# Altium PCB ANTS-PCU-B1.PCBDOC (part 2 of 3) (continued)
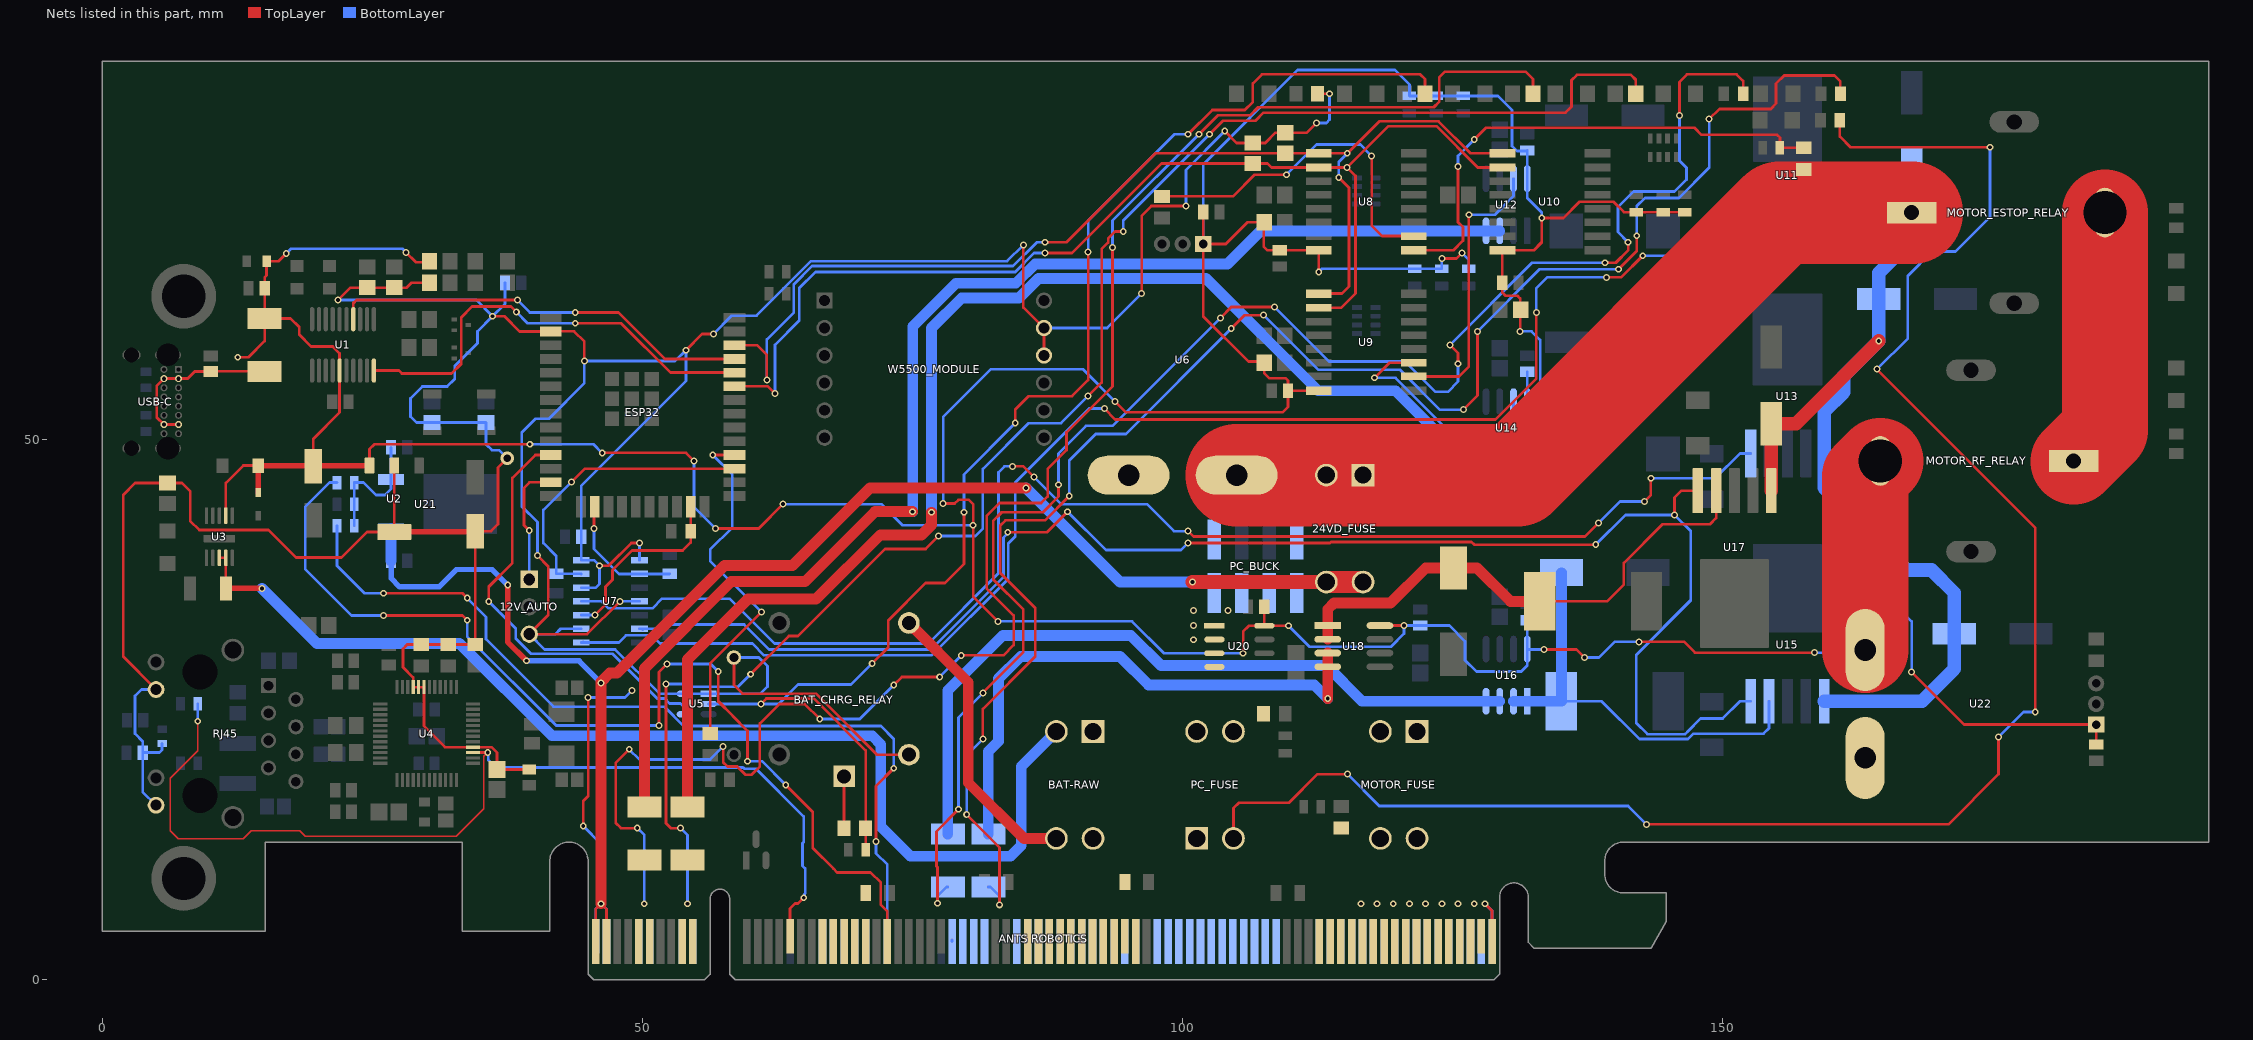
[diagram p2: the nets of this part, all layers, seen from the top]
## Part data (continued)
U8 U9 U10: library part CMP-10085-000001-1, "IC ADC/DAC 8BIT 11.1K 16SO", Ambient Temperature Range High=+85°C, Ambient Temperature Range Low=-40°C, Manufacturer="NXP Semiconductors", Max Supply Voltage=6V, Min Supply Voltage=2.5V, Nominal Supply Current=125-450uA, Package=SOT162-1, Temperature="-40°C to +85°C", Automotive=No, Category=IC, ComponentLink2Description=Datasheet, ComponentLink2URL=https://www.nxp.com/docs/en/data-sheet/PCF8591.pdf, Device Class L1="Integrated Circuits (ICs)", Device Class L2="Data Converter ICs", Device Class L3=unset, Digikey Description="IC ADC/DAC 8BIT 11.1K 16SO", Footprint Url=https://www.nxp.com/docs/en/package-information/SOT162-1.pdf, Height=2.65mm, Interface=I2C, Ipc Land Pattern Name=SOIC127P1032X265-16, Lead Free=Yes, Manufacturer Part Number=PCF8591T/2,518, Mouser Description="PCF8591 Series 2.5 V - 6 V 8-bit A/D and D/A converter - SOIC-16", Octopart=https://octopart.com/pcf8591t%2F2%2C518-nxp+semiconductors-7871876, RoHS=TRUE, Standoff Height=0.1mm, Temperature Range High=+85°C, Temperature Range Low=-40°C
U11: library part CMP-0069-00141-3, "SIMPLE SWITCHER® 3A Step-Down Voltage Regulator, 5-pin TO-263", Manufacturer="Texas Instruments", PackageTopMarking="NSUZXYTTE#*LM2576*HVS-5.0 P+", PowerWise=N, Code_JEDEC=MO-169-AB, ComponentLink1Description="Datasheet URL", ComponentLink1URL=http://www.ti.com/general/docs/lit/getliterature.tsp?genericPartNumber=LM2576HV&fileType=pdf, CompType=Switcher, PackageDescription="TO-263, Molded, .400 x .390 x .180in, 5 Lead, .067in Pitch, Surface Mount", PackageReference=KTT0005B, PinCount=5, RoHS=N
U12 U14 U16 U18: library part CMP-2000-04989-2, "SENSOR CURRENT HALL 5A AC/DC", Case/Package=SOIC, Current Sensing=5A, Frequency=80kHz, Max Operating Temperature=85°C, Max Supply Current=13mA, Max Supply Voltage=5.5V, Min Operating Temperature=-40°C, Min Supply Voltage=4.5V, Operating Supply Voltage=5V, Output Current=10mA, Package Quantity=1, Accuracy=1.5%, Bandwidth=80kHz, Height=1.5mm, Lead Free="Lead Free", Length=4.9mm, Linearity=1.5%, Mount="Surface Mount", Number of Channels=1, Number of Pins=8, Packaging="Cut Tape", Polarity=Bidirectional, Quiescent Current=10mA, REACH SVHC="No SVHC", Response Time=5us, RoHS Compliant=Yes, Sensitivity=185mV/A, Series=-, Termination=SMD/SMT, Voltage=5V, Width=3.9mm
U13: library part CMP-0069-00132-3, "SIMPLE SWITCHER® 3A Step-Down Voltage Regulator, 5-pin TO-263", Manufacturer="Texas Instruments", PackageTopMarking="NSUZXYTTE#*LM2576*HVS-3.3 P+", PowerWise=N, Code_JEDEC=MO-169-AB, ComponentLink1Description="Datasheet URL", ComponentLink1URL=http://www.ti.com/general/docs/lit/getliterature.tsp?genericPartNumber=LM2576HV&fileType=pdf, CompType=Switcher, PackageDescription="TO-263, Molded, .400 x .390 x .180in, 5 Lead, .067in Pitch, Surface Mount", PackageReference=KTT0005B, PinCount=5, RoHS=N
U15 U17: library part CMP-0069-00133-3, "SIMPLE SWITCHER® 3A Step-Down Voltage Regulator, 5-pin TO-263, Pb-Free", Manufacturer="Texas Instruments", PackageTopMarking="NSUZXYTTE#*LM2576*HVS-12 P+", PowerWise=N, Code_JEDEC=MO-169-AB, ComponentLink1Description="Datasheet URL", ComponentLink1URL=http://www.ti.com/general/docs/lit/getliterature.tsp?genericPartNumber=LM2576HV&fileType=pdf, CompType=Switcher, PackageDescription="TO-263, Molded, .400 x .390 x .180in, 5 Lead, .067in Pitch, Surface Mount", PackageReference=KTT0005B, PinCount=5, RoHS=Y
U20: library part CMP-0826-00001-2, "SENSOR CURRENT HALL 20A AC/DC", Case/Package=SOIC, Current Sensing=20A, Frequency=80kHz, Max Operating Temperature=85°C, Max Supply Current=13mA, Max Supply Voltage=5.5V, Min Operating Temperature=-40°C, Min Supply Voltage=4.5V, Operating Supply Voltage=5V, Output Current=10mA, Package Quantity=1, Accuracy=1.5%, Bandwidth=80kHz, Height=1.5mm, Lead Free="Lead Free", Length=4.9mm, Linearity=1.5%, Number of Channels=1, Number of Pins=8, Packaging="Tape and Reel", Polarity=Bidirectional, Quiescent Current=10mA, Radiation Hardening=No, REACH SVHC="No SVHC", Response Time=5us, RoHS Compliant=Yes, Sensitivity=100mV/A, Series=-, Termination=SMD/SMT, Width=3.9mm
U21: library part CMP-0244-00186-1, "Precision 500mA Regulator, 12V, 3-Pin DPAK, Tape and Reel", ComponentLink1Description="Manufacturer URL", ComponentLink1URL=http://www.st.com, ComponentLink2Description=Datasheet, ComponentLink2URL=http://www.st.com/internet/com/TECHNICAL_RESOURCES/TECHNICAL_LITERATURE/DATASHEET/CD00000448.pdf, DatasheetVersion=1/11/2010, PackageDescription="3-Pin Transistor Outline Package 2.28 mm Pitch, 9.7 mm Lead Span (DPAK)", PackageReference=TO-252, PackageVersion=2011
USB-C: library part CMP-196119-000001-1, "CONN RCPT USB2.0 TYPEC 16POS", Current Rating=4.25A, Manufacturer="Global Connector Technology", Package=0, Temperature="-40°C to +85°C", Temperature Range High=+85°C, Temperature Range Low=-40°C, Voltage Rating=20V, Automotive=No, Category=Conn, ComponentLink2Description=Datasheet, ComponentLink2URL=https://gct.co/files/drawings/usb4085.pdf, Conn Orientation="Right Angle", Contact Material=Gold,Nickel, Device Class L1=Connectors, Device Class L2="USB Connectors", Device Class L3=unset, Digikey Description="CONN RCPT USB2.0 TYPEC 16POS", Height=3.66mm, Is Female=yes, Lead Free=Yes, Manufacturer Part Number=USB4085-GF-A, Number Of Contacts=16, Octopart=https://octopart.com/usb4085-gf-a-global+connector+technology-94773699, Pitch=0.85mm, RoHS=TRUE, Shielding=true, Usb Standard="USB 2.0"
Y2: library part CMP-2000-05729-1, "Miniature Ceramic Crystal, 25 MHz, +/- 20 ppm, -20 to 70 degC, 2-Pin SMD, RoHS, Tape and Reel", Case Height=1.3mm, Case Length=5mm, Case Width=3.2mm, Frequency=25MHz, Frequency Stability=50PPM, Load Capacitance=18pF, Manufacturer=ABRACON, Operating Temperature Range=-20Cto+70C, Package / Case=5mmx3.2mm, Package Description="2-Pin Surface Mount Device, Body 5 x 3.2 mm", Package Reference=ABM3, Tolerance=20PPM, Brand=ABRACON, Datasheet URL=http://www.abracon.com/Resonators/abm3.pdf, Datasheet Version=09/2013, Dimensions=3.2mmWx5mmLx1.3mmH, ESR=30Ohms, Factory Pack Quantity=1000, Manufacturer URL=http://www.abracon.com/, Mounting Style=SMD/SMT, Mounting Technology=SurfaceMount, Packaging=Reel, Product Category=Crystals, RoHS=Details, Series=ABM3, Termination Style=SMD/SMT, Type=MiniatureCeramicCrystal

## Free pads (board coordinates)
  round 6 hole 4: 9(7.5,9.35) 9(7.5,63.25)

## Via types
v1: diameter 0.635, hole 0.356, TopLayer to BottomLayer, 322 vias
v2: diameter 0.5, hole 0.2, TopLayer to BottomLayer, 3 vias
v3: diameter 1.27, hole 0.711, TopLayer to BottomLayer, 1 vias

## Nets (pads, with @x,y where several pads share a name; then routed paths per layer and width w, separated by ;. In a path a pad name is that pad's centre, name@x,y a point inside that pad or via, vN(x,y) a via of type N, cw(c..) or ccw(c..) an arc to the next point about the centre after c; other vN are vias at no path point)
3V3D_AMP_MONITOR: U9.3 U14.7 | length 20.9
  TopLayer w0.254: v1(117.75,55.7) 119.145,57.095 U9.3@121.4,57.095
  BottomLayer w0.254: v1(117.75,55.7) 119.7,55.7 124.15,51.25 130.15,51.25 130.635,51.735 U14.7@130.635,53.492
3V3D_RAW: 3V3D_FUSE.1 U14.3 U14.4 | length 120.9
  TopLayer w1.016: 3V3D_FUSE.1@54.15,15.951 54.15,29.6 59.75,35.2 66.05,35.2 72,41.15 75.8,41.15 76.736,42.086 v1(76.736,43.25)
  BottomLayer w1: v1@76.75,43.25 76.75,60.3 79.55,63.1 84.85,63.1 86.65,64.9 102.15,64.9 112.55,54.5 119.7,54.5 125.54,48.66 U14.4@128.095,48.66 U14.3@129.365,48.66
5VD_AMP_MONITOR: U9.2 U12.7 | length 26
  TopLayer w0.254: U9.2@121.4,55.825 125.575,55.825 126.5,56.75 v1(126.5,70.8)
  BottomLayer w0.254: v1(126.5,70.8) 128.911,70.8 130.635,72.524 U12.7@130.635,74.142
5VD_RAW: 5VD_FUSE.1 U12.3 U12.4 | length 118.9
  TopLayer w1.016: 5VD_FUSE.1@50.15,15.951 50.15,28.8 58.2,36.85 65.05,36.85 71.5,43.3 v1(74.986,43.3)
  BottomLayer w1: v1@75,43.3 75,60.45 79,64.45 83.45,64.45 84.55,64.45 86.35,66.25 91.8,66.25 104.15,66.25 107.2,69.3 128.095,69.3 U12.3@129.365,69.3
12V_RF_RELAY: "ANTS ROBOTICS.A26" R83.2 | length 83
  TopLayer w0.254: v1(26,35.75) 33.3,35.75 v1(33.75,35.3) ; v1(71.6,12.75) 71.6,17.9 v1(73.25,19.55)
  BottomLayer w0.254: R83.2@21.7,42 21.7,38.3 24.25,35.75 v1(26,35.75) ; v1(33.75,35.3) 35.5,33.55 35.5,31.5 41.75,25.25 52,25.25 53.799,23.451 72.049,23.451 73.25,22.25 v1(73.25,19.55) ; v1(71.6,12.75) 71.6,11.668 72.65,10.618 72.65,3.5
12V_SIG_RF: "ANTS ROBOTICS.B26" R81.2 | length 94.4
  TopLayer w0.254: v1(26,33.7) 33.3,33.7 v1(33.75,33.25) ; v1(51.5,23.5) 51.5,28.45 v1(52.25,29.2) ; v1(57,28.5) 57,25.75 58.35,24.4 58.35,24.362 59.7,23.012 v1(59.7,20.198) ; v1(63.25,18) 65.75,15.5 65.75,12.15 67.65,10.25 68,9.9 71.1,9.9 72.05,8.95 72.05,6.9 72.65,6.3 72.65,3.5
  BottomLayer w0.254: R81.2@21.7,46 21,46 18.75,43.75 18.75,38 23.05,33.7 v1(26,33.7) ; v1(33.75,33.25) 33.75,31.75 42,23.5 v1(51.5,23.5) ; v1(52.25,29.2) 56.3,29.2 v1(57,28.5) ; v1(59.7,20.198) 61.052,20.198 v1(63.25,18)
12VRTR_RAW: RTR_FUSE.1 U18.3 U18.4 | length 51.9
  TopLayer w1: v1(113.434,26) U18.4@113.434,28.945 ; U18.4@113.434,28.953 U18.3@113.434,30.215
  BottomLayer w1: RTR_FUSE.1@82,13.451 82,21.1 82.95,22.05 82.95,27.85 85,29.9 94.2,29.9 96.85,27.25 112.184,27.25 v1(113.434,26)
12VRTR_REG: C53.1 L6.1 U17.4 U18.1 U18.2 | length 48.3
  TopLayer w0.254: L6.1@133.05,35 139.3,35 140.85,36.55 140.85,38.55 144.45,42.15 148.85,42.15 149.4,42.7 U17.4@149.4,45.25
  TopLayer w1: U18.2@113.434,31.493 U18.1@113.434,32.755 ; U18.1@113.434,32.944 113.434,34.264 114.02,34.85 119.25,34.85 122.5,38.1 C53.1@125.1,38.1 127.25,38.1 130.35,35 L6.1@133.05,35
12VSPKR_RAW: SPKR_FUSE.1 U16.3 U16.4 | length 69.1
  BottomLayer w1: SPKR_FUSE.1@78.25,13.451 78.25,26.75 83.35,31.85 95.2,31.85 98,29.05 113.307,29.05 116.607,25.75 123.7,25.75 U16.4@128.095,25.75 U16.3@129.365,25.75
12VSPKR_REG: C49.1 L5.1 U15.4 U16.1 U16.2 | length 39.9
  BottomLayer w0.254: L5.1@135.08,25.75 138.8,25.75 142.304,22.246 146.796,22.246 147.3,22.75 153.8,22.75 154.3,23.25 U15.4@154.3,25.75
  BottomLayer w1: U16.2@130.635,25.75 U16.1@131.905,25.75 L5.1@135.05,25.75 ; L5.1@135.08,25.75 C49.1@135.08,37.65
+3V3: 12V_AUTO.3 BAT_CHRG_RELAY.2 C6.1 C7.1 C27.1 C28.2 C31.1 C36.1 D3.2 ESP32.2 L1.1 R3.1 R4.1 R8.2 R12.2 R13.2 R27.2 R28.2 R29.2 R31.1 R44.2 R45.2 R85.1 RJ45.10 RJ45.12 U2.2 U2.4 U4.28 U4.43 U4.44 U4.45 U5.1 U5.5 U7.1 U7.4 U7.9 U7.12 U7.14 W5500_MODULE.10 W5500_MODULE.11 | length 424.7
  TopLayer w0.254: RJ45.10@4.94,26.835 1.9,29.875 1.9,44.85 3,45.95 R85.1@6,45.95 7.35,45.95 8.1,45.2 8.1,42.45 8.95,41.6 15.35,41.6 17.9,39.05 22.1,39.05 24.475,41.425 U2.4@27,41.425 27,47.55 U2.2@27,47.575 ; v1(21.8,62.9) 22.95,64.05 R3.1@24.5,64.05 R4.1@27,64.05 28.15,64.05 28.6,64.5 R8.2@30.25,64.5 ; v1(36.1,61.4) 37.2,61.4 38.61,59.99 ESP32.2@41.5,59.99 41.79,59.99 41.8,60 43.65,60 44.6,59.05 v1(44.6,57.25) ; v3(37.45,48.25) 36.6,47.4 36.6,42.15 35.95,41.5 C6.1@34.5,41.5 34.5,41.425 R28.2@34.5,31 R27.2@32,31 R29.2@29.5,31 28.2,31 27.8,30.6 27.8,28.9 28.75,27.95 U4.45@28.75,27.05 U4.44@29.25,27.05 U4.43@29.75,27.05 29.75,23.45 31.7,21.5 U4.28@34.3,21.5 36,21.5 36.5,21 C28.2@36.5,19.425 36.502,19.427 C27.1@39.5,19.427 ; v1(40.25,39.25) 41.25,38.25 41.25,33.71 12V_AUTO.3@39.5,31.96 44.86,31.96 v1(47.9,35) ; v1(46,38.3) 46.85,38.3 48.95,40.4 v1(49.7,40.4) ; v1(54,58.25) 55.5,59.75 v1(56.55,59.75) ; D3.2@58.45,29.8 58.45,27.25 59.25,26.45 66.05,26.45 71.7,20.8 BAT_CHRG_RELAY.2@74.65,20.8 ; v1(85.25,68) 85.25,62.22 W5500_MODULE.11@87.16,60.31 W5500_MODULE.10@87.16,57.77 W5500_MODULE.10@87.15,57.76 ; v1(96.2,63.5) 96.2,70.7 97.1,71.6 v1(100.3,71.6) ; v1(103.9,78.55) 105,77.45 R45.2@106.5,77.45 107.65,77.45 108.595,78.395 R44.2@109.5,78.395 111.495,78.395 v1(112.4,79.3) ; R31.1@112.5,82 v1(113.6,82)
  TopLayer w0.508: U2.4@27,41.425 C6.1@34.5,41.425
  BottomLayer w0.254: RJ45.12@4.94,16.125 3.7,17.365 C31.1@3.7,21 ; RJ45.10@4.94,26.835 3.585,26.835 3,26.25 3,22.75 3.7,22.05 C31.1@3.7,21 ; L1.1@5.5,21.835 5.5,21.25 5.25,21 C31.1@3.7,21 ; v1(21.8,62.9) 34.6,62.9 v1(36.1,61.4) ; C7.1@37.25,64.5 37.25,62.55 v1(36.1,61.4) ; v3(37.45,48.25) 36.7,49 36.05,49 35.5,49.55 R12.2@35.5,51.55 R13.2@30.5,51.55 29.05,51.55 28.5,52.1 28.5,53.8 29.6,54.9 31.9,54.9 32.6,55.6 32.6,56.8 34.7,58.9 34.7,60 v1(36.1,61.4) ; 12V_AUTO.3@39.5,31.96 40.91,30.55 47.45,30.55 51.55,26.45 U5.5@53.9,26.45 U5.1@56.1,26.45 60.9,26.45 61.55,27.1 61.55,29 60.75,29.8 D3.2@58.45,29.8 ; 12V_AUTO.3@40,31.96 41.91,31.96 42.41,32.46 U7.9@44.3,32.46 ; v1(40.25,39.25) 40.25,42.35 38.8,43.8 38.8,50.65 40.05,51.9 41.3,51.9 44.6,55.2 v1(44.6,57.25) 53,57.25 v1(54,58.25) 54,55.4 44.3,45.7 C36.1@44.3,41 U7.14@44.3,38.81 45.49,38.81 v1(46,38.3) 46,36.6 45.65,36.25 44.32,36.25 U7.12@44.3,36.27 ; v1(47.9,35) U7.4@49.7,35 ; U7.1@49.7,38.81 v1(49.7,40.4) ; v1(56.55,59.75) 58.25,61.45 60.55,61.45 65.6,66.5 83.75,66.5 v1(85.25,68) ; W5500_MODULE.11@87.16,60.31 93.01,60.31 v1(96.2,63.5) ; v1(100.3,71.6) 100.3,74.95 v1(103.9,78.55) ; v1(112.4,79.3) 113.3,79.3 113.6,79.6 v1(113.6,82)
+3V3_DIGITAL: 3V3D_FUSE.2 "ANTS ROBOTICS.A9" "ANTS ROBOTICS.A10" "ANTS ROBOTICS.B9" "ANTS ROBOTICS.B10" R68.2 | length 149.3
  TopLayer w0.254: v1(52.15,27.35) 52.15,14.45 52.6,14 v1(53.5,14) ; v1(60,28.25) 63.536,31.786 64.386,31.786 72.45,39.85 76.2,39.85 v1(77.4,41.05) ; v1(91.25,54) 92.5,55.25 92.5,67.625 93.1,68.225 93.1,68.6 93.75,69.25 v1(94.5,69.25) ; v1(102.5,78.25) 103.75,79.5 106.75,79.5 107.5,80.25 135.45,80.25 136,80.8 136,83.25 136.5,83.75 141.5,83.75 141.95,83.3 141.95,82.1 R68.2@141.95,82
  BottomLayer w0.254: v1(52.15,27.35) 52.15,27.3 52.2,27.35 54.35,27.35 54.6,27.1 58.85,27.1 v1(60,28.25) ; v1(53.5,14) 54.15,13.35 v1(54.15,7) ; v1(77.4,41.05) 80.8,41.05 81.5,41.75 81.5,47.25 85.75,51.5 88.75,51.5 v1(91.25,54) ; v1(94.5,69.25) 94.5,70.25 v1(102.5,78.25)
+3V3_DIGITAL_ENABLE: U7.11 U13.5 | length 129.8
  TopLayer w0.254: v1(84.25,47.5) 85.25,47.5 v1(86.25,46.5) ; v1(100.5,41.5) 101,41 137.25,41 v1(138.5,42.25) ; v1(142.75,44.25) 143.35,44.85 143.35,46.25 143.3,46.3 143.35,46.35 v1(143.35,46.4)
  BottomLayer w0.254: U7.11@44.3,35 46.2,35 46.85,34.35 50.9,34.35 51.8,35.25 58.05,35.25 62.2,31.1 76.45,31.1 82.95,37.6 82.95,46.95 83.5,47.5 v1(84.25,47.5) ; v1(86.25,46.5) 88.75,44 96.7,44 99.2,41.5 v1(100.5,41.5) ; v1(138.5,42.25) 140.5,44.25 v1(142.75,44.25) ; v1(143.35,46.4) 149.3,46.4 151.6,48.7 U13.5@152.6,48.7
+5_USB_IN: C1.1 F-USB.1 USB-C.A4 USB-C.A9 USB-C.B4 USB-C.B9 | length 15.8
  TopLayer w0.254: USB-C.A9@7.025,51.375 USB-C.B4@5.675,51.375 5,52.05 5,54.95 USB-C.B9@5.675,55.625 USB-C.A4@7.025,55.625 7.875,55.625 8.524,56.274 C1.1@10,56.274 10.026,56.3 14.975,56.3 F-USB.1@15,56.275
+5V: ADC1-A0.1 ADC1-A1.1 ADC1-A2.1 ADC2-A0.1 ADC2-A1.1 ADC2-A2.1 ADC3-A0.1 ADC3-A1.1 ADC3-A2.1 C2.1 C3.1 C5.1 C9.1 C35.1 C37.1 C38.1 C39.1 C42.1 C46.1 C50.1 C54.1 C56.1 C61.1 D2.1 F-USB.2 R9.2 R46.2 R54.2 R62.2 U1.15 U2.3 U3.7 U6.1 U8.16 U9.16 U10.16 U12.8 U14.8 U16.8 U18.8 U20.8 U22.1 | length 475.6
  TopLayer w0.254: U3.7@11.4,42.93 11.4,45.95 13.025,47.575 C9.1@14.4,47.575 ; v1(12.5,57.6) 13.5,57.6 15,59.1 F-USB.2@15,61.177 ; v1(17,67.2) 16.3,66.5 C3.1@15.175,66.5 15.175,65.175 15,65 C2.1@15,64 F-USB.2@15,61.177 ; C5.1@19.5,47.5 19.5,47.575 19.5,50.05 21.933,52.483 U1.15@21.933,56.375 21.933,57.967 21.3,58.6 19.3,58.6 18.2,59.7 18.2,60.4 17.4,61.2 15.3,61.2 15.277,61.177 F-USB.2@15,61.177 ; U2.3@24.7,47.575 24.7,49.1 25.15,49.55 v1(39.55,49.55) ; v1(28.1,67.3) 29,66.4 30.1,66.4 30.2,66.5 R9.2@30.25,66.5 ; v1(46.25,48.75) 54,48.75 v1(54.75,48) ; v1(56.75,41.75) 60.75,41.75 v1(63,44) ; v1(77.822,44.05) 78.887,44.05 79.237,44.4 80.2,44.4 80.6,44 v1(80.6,42.05) 80.6,35.45 v1(82.9,33.15) ; v1(93.75,53.5) 94.75,52.5 109.25,52.5 109.75,53 C38.1@109.75,54.505 ; C35.1@101.91,71.05 U6.1@101.91,68.09 ; v1(105.6,30.2) 105.6,32.2 106.14,32.74 U20.8@107.566,32.74 ; C56.1@107.55,34.5 107.566,34.484 U20.8@107.566,32.74 ; v1(109.805,32.74) U20.8@107.566,32.74 ; U9.16@112.6,54.505 C38.1@109.75,54.505 ; v1(112.6,65.5) U8.16@112.6,67.5 ; U8.16@112.6,67.505 U8.16@112.6,67.5 ; U18.8@118.266,32.755 v1(120.505,32.755) ; v1(124,66.75) 125.35,66.75 v1(125.85,67.25) ; v1(131.25,60) 131.25,63.05 131,63.3 129.9,63.3 129.6,63.6 C39.1@129.6,64.5 U10.16@129.6,67.505 132.505,67.505 133.25,68.25 v1(133.25,70.5) 135.25,70.5 136.75,72 139.9,72 140.865,71.035 ADC3-A0.1@142,71.035 ADC3-A1.1@144.5,71.035 ADC3-A2.1@146.5,71.035 ; v1(133.45,30.55) 136.45,30.55 v1(137.2,29.8) ; v1(142.25,31.25) 146.45,31.25 147.45,30.25 v1(158.5,30.25) ; v1(167.5,28.45) 172.36,23.59 U22.1@184.59,23.59 184.59,21.76 C61.1@184.6,21.75 ; U6.1@101.91,68.09 101.91,61.39 106.1,57.2 107.35,57.2 107.45,57.1 R54.2@107.55,57.1 107.55,56.15 108.05,55.65 109.55,55.65 109.75,55.45 C38.1@109.75,54.505 ; U6.1@101.91,68.09 103.991,68.09 106,70.1 R46.2@107.55,70.1 107.5,70.05 107.5,67.85 107.85,67.5 C37.1@109,67.5 U8.16@112.6,67.5
  TopLayer w0.508: D2.1@14.4,45.07 C9.1@14.4,47.575 ; C9.1@14.45,47.575 19.5,47.575 U2.3@24.7,47.575
  BottomLayer w0.254: v1(17,67.2) 17.446,67.646 27.754,67.646 v1(28.1,67.3) ; v1(39.55,49.55) 45.45,49.55 v1(46.25,48.75) ; v1(54.75,48) 54.75,43.75 v1(56.75,41.75) ; v1(63,44) 72.1,44 74.05,42.05 v1(80.6,42.05) ; v1(77.822,44.05) 77.822,52.071 82.25,56.5 90.75,56.5 v1(93.75,53.5) ; v1(82.9,33.15) 95.3,33.15 98.25,30.2 v1(105.6,30.2) ; U6.1@101.91,68.09 101.91,75.46 110.65,84.2 119.65,84.2 121,82.85 ADC1-A2.1@121,81.8 ADC1-A1.1@123.5,81.8 ADC1-A0.1@126,81.8 129.2,81.8 130.5,80.5 130.5,77.15 130.95,76.7 131.855,76.7 C42.1@131.905,76.75 131.905,75.905 131.9,75.9 U12.8@131.9,74.147 ; v1(109.805,32.74) 111.745,30.8 119.3,30.8 120.505,32.005 v1(120.505,32.755) C54.1@122,32.755 124.695,32.755 126.15,31.3 126.15,29.55 127.2,28.5 131.35,28.5 131.905,29.055 U16.8@131.905,30.582 ; v1(112.6,65.5) 112.9,65.8 ADC2-A2.1@121.5,65.8 ADC2-A1.1@124,65.8 v1(124,66.75) ; v1(125.85,67.25) 126.5,66.6 ADC2-A0.1@126.5,65.8 ; v1(131.25,60) 132.3,60 133.1,59.2 133.1,53.75 132.842,53.492 U14.8@131.905,53.492 131.905,56.245 C46.1@131.9,56.25 ; U12.8@131.905,74.142 131.905,72.345 133.25,71 v1(133.25,70.5) ; C50.1@131.95,33.25 131.905,33.205 U16.8@131.905,30.582 ; v1(133.45,30.55) 131.937,30.55 U16.8@131.905,30.582 ; v1(137.2,29.8) 138.55,29.8 140,31.25 v1(142.25,31.25) ; v1(158.5,30.25) 160.1,30.25 160.7,30.85 160.7,34 161.95,35.25 165.4,35.25 167.5,33.15 v1(167.5,28.45)
+5V_DIGITAL: 5VD_FUSE.2 "ANTS ROBOTICS.A5" "ANTS ROBOTICS.A6" "ANTS ROBOTICS.B5" "ANTS ROBOTICS.B6" R69.2 | length 158.8
  TopLayer w0.254: v1(48.75,21.3) 47.5,20.05 47.5,14.5 48,14 v1(49.5,14) ; v1(57.45,21.55) 57.45,20.1 57.85,19.7 58.75,19.7 59.5,18.95 60.1,18.95 60.85,19.7 60.85,23.7 62.65,25.5 65,25.5 v1(66.4,24.1) ; v1(73.25,27.25) 74,28 v1(77.5,28) ; v1(79.5,30) 83.4,30 84.35,30.95 84.35,33.7 81.85,36.2 81.85,42.9 83.05,44.1 86.9,44.1 87.5,44.7 87.5,47.25 89.25,49 89.25,50.65 93.5,54.9 v1(93.5,67.75) ; v1(101.5,78.25) 103.25,80 106.25,80 107,80.75 123.25,80.75 123.75,81.25 123.75,83.5 124.3,84.05 131.75,84.05 132.45,83.35 R69.2@132.45,82
  BottomLayer w0.254: v1(48.75,21.3) 49.7,20.35 56.25,20.35 v1(57.45,21.55) ; v1(49.5,14) 50.15,13.35 v1(50.15,7) ; 49.65,3.5 49.65,3.55 ; v1(66.4,24.1) 70.1,24.1 v1(73.25,27.25) ; v1(77.5,28) 79.45,29.95 79.5,29.95 v1(79.5,30) ; v1(93.5,67.75) 93.5,70.25 v1(101.5,78.25)
+5V_DIGITAL_ENABLE: U7.8 U11.5 | length 136.2
  TopLayer w0.254: v1(92.75,52.85) 93.75,51.85 128.95,51.85 132.75,55.65 v1(132.75,61.75) ; v1(139.25,65) 140.6,65 v1(142.6,67)
  BottomLayer w0.254: U7.8@44.3,31.19 44.44,31.19 44.5,31.25 44.56,31.19 47.79,31.19 48.45,31.85 50.85,31.85 51.6,31.1 60.15,31.1 61.25,30 76.761,30 83.85,37.089 83.85,40.35 84.5,41 84.5,46 91.35,52.85 v1(92.75,52.85) ; v1(132.75,61.75) 132.75,64 133.75,65 v1(139.25,65) ; v1(142.6,67) 149.3,67 151.6,69.3 U11.5@152.6,69.3
+12: C60.1 R81.1 R82.1 R83.1 U21.3 | length 12
  BottomLayer w0.254: R83.1@23.3,42 R82.1@23.3,44 R81.1@23.3,46 24.15,46 25.3,44.85 26.15,44.85 26.7,45.4 U21.3@26.7,46.28 C60.1@26.7,49.25
+12V_EXTRA_ENABLE: U7.6 U15.5 U17.5 | length 145.8
  TopLayer w0.254: v1(83.8,41.4) 87.45,41.4 v1(89.35,43.3) ; v1(100.5,40.4) 113.627,40.4 113.727,40.5 126.75,40.5 127,40.25 v1(138.25,40.25) ; v1(145.55,43) 145.55,44.6 146.2,45.25 U17.5@147.7,45.25
  BottomLayer w0.254: U7.6@49.7,32.46 49.94,32.46 50,32.4 50.06,32.46 51.26,32.46 51.65,32.85 59.4,32.85 61.7,30.55 76.7,30.55 83.4,37.25 83.4,40.897 83.8,41.297 v1(83.8,41.4) ; v1(89.35,43.3) 92.9,39.75 99.85,39.75 v1(100.5,40.4) ; v1(138.25,40.25) 141,43 v1(145.55,43) 147.05,41.5 147.05,35.1 142,30.05 142,23.75 143.05,22.7 146.512,22.7 146.727,22.915 146.727,22.927 147.95,24.15 150,24.15 151.6,25.75 U15.5@152.6,25.75
+12V_ROUTER: "ANTS ROBOTICS.A34" "ANTS ROBOTICS.A35" R71.2 RTR_FUSE.2 | length 157.8
  TopLayer w0.254: v1(80,15.25) 83.05,12.2 v1(83.05,6.9) ; v1(81.5,22.25) 81.5,25.05 86.35,29.9 86.35,34.4 83.1,37.65 83.1,42 83.6,42.5 87.25,42.5 v1(89.5,44.75) ; v1(104.5,60.25) 105.75,61.5 v1(107.5,61.5) ; v1(126,52.75) 127.3,54.05 v1(127.3,60) ; v1(140.35,65.75) 142.05,67.45 v1(142.05,68.85) ; v1(148.75,79.65) 149.7,80.6 154.45,80.6 154.95,81.1 154.95,82.95 155.7,83.7 160.35,83.7 160.9,83.15 R71.2@160.9,82
  BottomLayer w0.254: v1(80,15.25) 80,20.75 v1(81.5,22.25) ; RTR_FUSE.2@82,8.549 82.199,8.549 83.05,7.698 v1(83.05,6.9) ; v1(89.5,44.75) 89.5,48.05 91.95,50.5 94.75,50.5 v1(104.5,60.25) ; v1(107.5,61.5) 112.55,56.45 120.1,56.45 123.8,52.75 v1(126,52.75) ; v1(127.3,60) 133.05,65.75 v1(140.35,65.75) ; v1(142.05,68.85) 142.05,71.6 142.8,72.35 145.95,72.35 148.75,75.15 v1(148.75,79.65)
+12V_SPEAKER: "ANTS ROBOTICS.A32" "ANTS ROBOTICS.A33" R70.2 SPKR_FUSE.2 | length 151.9
  TopLayer w0.254: v1(77.288,7.044) 77.288,10.38 77.2,10.468 77.2,13.7 v1(79.25,15.75) ; v1(81.5,26.5) 81.5,26.55 85.25,30.3 85.25,34.25 82.45,37.05 82.45,42.45 83.25,43.25 87.05,43.25 88.5,44.7 v1(88.5,45.8) ; v1(103.5,61.25) 104.5,62.25 v1(108.5,62.25) ; v1(124.75,58.75) 125.5,58 v1(125.5,57) ; v1(139.1,66.35) 140.1,66.35 141.25,67.5 v1(141.25,68.25) ; v1(146,80) 146,83.1 146.7,83.8 151.3,83.8 151.9,83.2 R70.2@151.9,82
  BottomLayer w0.254: v1(77.288,7.044) 77.288,7.698 78.139,8.549 SPKR_FUSE.2@78.25,8.549 ; 78.65,3.5 78.65,3.65 ; v1(79.25,15.75) 79.25,24.25 v1(81.5,26.5) ; v1(88.5,45.8) 88.5,48.7 91.05,51.25 93.5,51.25 v1(103.5,61.25) ; v1(108.5,62.25) 113.55,57.2 120.6,57.2 123.4,54.4 124.55,54.4 125.5,55.35 v1(125.5,57) ; v1(124.75,58.75) 132.35,66.35 v1(139.1,66.35) ; v1(141.25,68.25) 140.3,69.2 140.3,71.5 141.75,72.95 145.55,72.95 146.65,74.05 146.65,75.15 146,75.8 v1(146,80)
+19V_PC: "ANTS ROBOTICS.A51" "ANTS ROBOTICS.A52" "ANTS ROBOTICS.A53" "ANTS ROBOTICS.A54" "ANTS ROBOTICS.A55" "ANTS ROBOTICS.A56" "ANTS ROBOTICS.A57" "ANTS ROBOTICS.A58" "ANTS ROBOTICS.A59" "ANTS ROBOTICS.A60" "ANTS ROBOTICS.A61" "ANTS ROBOTICS.A62" PC_FUSE.1 PC_FUSE.2 R76.1 | length 166.5
  TopLayer w0.254: PC_FUSE.2@104.7,13.05 104.7,15.85 105.2,16.35 109.85,16.35 112.5,19 v1(115.25,19) ; v1(142.95,14.35) 170.9,14.35 175.55,19 v1(175.55,22.45) ; R76.1@160.85,79.55 160.85,78.05 161.85,77.05 v1(174.75,77.05) ; v1(164.3,56.5) 164.3,56.45 178.95,41.8 v1(178.95,24.75)
  BottomLayer w0.254: v1(115.25,19) 118.2,16.05 141.25,16.05 v1(142.95,14.35) ; v1(164.3,56.5) 167.15,59.35 167.15,65.15 169.4,67.4 171.55,67.4 174.75,70.6 v1(174.75,77.05) ; v1(175.55,22.45) 175.6,22.4 175.6,22.5 177.85,24.75 v1(178.95,24.75)
+19V_PC_NOFUSE: PC_FUSE.3 PC_FUSE.4 R74.2 U20.3 U20.4
+19V_PC_RAW: PC_BUCK.1 PC_BUCK.2 PC_BUCK.4 U20.1 U20.2
  other v1: 101,31.45 101,32.75 101,34.15 104.2,34.15
+24V_BAT: 24VD_FUSE.1 24VD_FUSE.2 C40.2 C44.2 C48.2 C52.2 MOTOR_ESTOP_RELAY.30 R37.2 U6.5 U11.1 U13.1 U15.1 U17.1 | length 173.6
  TopLayer w1.27: U17.1@154.5,45.25 C52.2@154.5,51.45 156.8,51.45 v1(164.45,59.1)
  TopLayer w9.5: U6.5@105,46.691 130.991,46.691 155.3,71 MOTOR_ESTOP_RELAY.30@167.5,71
  BottomLayer w1.27: U15.1@159.4,25.75 168.45,25.75 171.45,28.75 C48.2@171.45,32 171.45,35.8 169.35,37.9 167.05,37.9 159.4,45.55 U13.1@159.4,48.7 159.4,52.55 161.2,54.35 161.2,55.85 v1(164.45,59.1) C44.2@164.45,63 164.45,65.4 167.5,68.45 MOTOR_ESTOP_RELAY.30@167.5,71 C40.2@167.5,75 161.6,75 159.4,72.8 U11.1@159.4,69.3
+24V_BAT_FUSE: BAT-RAW.1 BAT-RAW.2 C8.1 U3.3 U3.4 U6.4 | length 104.1
  TopLayer w0.254: U3.3@10.8,39.03 U3.4@11.4,39.03 C8.1@11.4,36.2
  TopLayer w0.508: C8.1@11.4,36.2 v1(14.75,36.2)
  BottomLayer w1: v1(14.75,36.2) 19.85,31.1 33.05,31.1 41.6,22.55 71.25,22.55 72.05,21.75 72.05,14.15 74.8,11.4 84.05,11.4 85.05,12.4 85.05,19.7 BAT-RAW.2@88.3,22.95
+24V_BAT_RAW: "ANTS ROBOTICS.A38" "ANTS ROBOTICS.A39" "ANTS ROBOTICS.A40" "ANTS ROBOTICS.A41" "ANTS ROBOTICS.A42" "ANTS ROBOTICS.A43" "ANTS ROBOTICS.A44" "ANTS ROBOTICS.A45" "ANTS ROBOTICS.A46" "ANTS ROBOTICS.A47" "ANTS ROBOTICS.A48" "ANTS ROBOTICS.A49" BAT-RAW.3 BAT-RAW.4 BAT_CHRG_RELAY.3 | length 27.4
  TopLayer w1: BAT_CHRG_RELAY.3@74.65,33 80.15,27.5 80.15,18.2 85.3,13.05 BAT-RAW.4@88.3,13.05
+24V_DIGITAL: 24VD_FUSE.3 24VD_FUSE.4 "ANTS ROBOTICS.A1" "ANTS ROBOTICS.A2" "ANTS ROBOTICS.B1" "ANTS ROBOTICS.B2" C59.1 PC_BUCK.6 PC_BUCK.7 PC_BUCK.8 U21.1 | length 172.3
  TopLayer w0.254: v1(44.5,14.2) 44.4,14.3 44.424,14.3 44.5,14.376 44.5,16.5 44.95,16.95 v1(44.95,26.1) ; 45.6,4.15 45.65,4.1 ; 45.65,3.5 45.65,4.1 ; 46.65,4.1 46.65,6.5 v1(46.15,7) 45.65,6.5 45.65,4.1
  TopLayer w0.508: v1(37.5,36.5) 37.5,31.25 v1(39.25,29.5)
  TopLayer w1: v1(46.15,27.45) v1@46.15,27.55
  TopLayer w1.016: v1(46.15,7) v1(46.15,27.45) ; v1@46.15,27.55 46.95,28.35 47.621,28.35 57.591,38.32 63.87,38.32 71.05,45.5 v1(85.5,45.5)
  TopLayer w1.27: v1(100.9,36.79) 24VD_FUSE.4@113.3,36.791
  TopLayer w2: 24VD_FUSE.4@113.3,36.791 24VD_FUSE.3@116.7,36.791
  BottomLayer w0.254: v1(44.5,14.2) 46.15,12.55 v1(46.15,7) ; v1(44.95,26.1) 48.35,26.1 v1(49,26.75) ; 45.65,4 45.65,6.5 v1(46.15,7) ; 46.65,4 46.65,6.5 v1(46.15,7)
  BottomLayer w0.508: C59.1@26.7,38.75 26.7,37.15 27.5,36.35 31.15,36.35 32.75,37.95 36.05,37.95 v1(37.5,36.5) ; v1(39.25,29.5) 39.258,29.492 44.108,29.492 v1(46.15,27.45)
  BottomLayer w1: C59.1@26.7,38.75 U21.1@26.7,41.72
  BottomLayer w1.016: v1(85.5,45.5) 94.209,36.791 v1(100.9,36.79)
+24V_MOTOR: "ANTS ROBOTICS.A66" "ANTS ROBOTICS.A67" "ANTS ROBOTICS.A68" "ANTS ROBOTICS.A69" "ANTS ROBOTICS.A70" "ANTS ROBOTICS.A71" "ANTS ROBOTICS.A72" "ANTS ROBOTICS.A73" "ANTS ROBOTICS.A74" "ANTS ROBOTICS.A75" "ANTS ROBOTICS.A76" "ANTS ROBOTICS.A77" "ANTS ROBOTICS.A78" "ANTS ROBOTICS.A79" "ANTS ROBOTICS.A80" "ANTS ROBOTICS.A81" "ANTS ROBOTICS.A82" "ANTS ROBOTICS.B66" "ANTS ROBOTICS.B67" "ANTS ROBOTICS.B68" "ANTS ROBOTICS.B69" "ANTS ROBOTICS.B70" "ANTS ROBOTICS.B71" "ANTS ROBOTICS.B72" "ANTS ROBOTICS.B73" "ANTS ROBOTICS.B74" "ANTS ROBOTICS.B75" "ANTS ROBOTICS.B76" "ANTS ROBOTICS.B77" "ANTS ROBOTICS.B78" "ANTS ROBOTICS.B79" "ANTS ROBOTICS.B80" "ANTS ROBOTICS.B81" "ANTS ROBOTICS.B82" MOTOR_FUSE.3 MOTOR_FUSE.4 R79.2 | length 7.5
  TopLayer w0.254: v1(128,7) 128.65,6.35 128.65,3.5
  BottomLayer w0.254: v1(128,7) 128.65,6.35 128.65,3.5
  other v1: 116.5,7 118,7 119.5,7 121,7 122.5,7 124,7 125.5,7 127,7
+24V_MOTOR_ESTOP: MOTOR_ESTOP_RELAY.87 MOTOR_RF_RELAY.30 | length 24.3
  TopLayer w8: MOTOR_RF_RELAY.30@182.5,47.95 185.4,50.85 MOTOR_ESTOP_RELAY.87@185.4,71
+24V_MOTOR_RAW: MOTOR_FUSE.1 MOTOR_FUSE.2 U22.5
+24V_MOTOR_RF: MOTOR_RF_RELAY.87 U22.4 | length 18.1
  TopLayer w8: U22.4@163.191,30.5 163.191,46.591 MOTOR_RF_RELAY.87@164.6,48
ACT_LED: "ANTS ROBOTICS.B17" R17.2 U4.27 | length 94.5
  TopLayer w0.127: v1(8.8,23.9) 8.8,21.15 6.25,18.6 6.25,13.75 7,13 13,13 13.75,13.75 18.25,13.75 18.75,13.25 32.75,13.25 35.3,15.8 35.3,20.642 v1(35.65,20.992)
  TopLayer w0.254: U4.27@34.3,21 34.304,20.996 35.646,20.996 v1(35.65,20.992) ; 63.65,4 63.65,6.564 64.113,7.026 64.376,7.026 v1(64.911,7.562)
  BottomLayer w0.254: v1(8.8,23.9) R17.2@8.8,25.5 ; v1(35.65,20.992) 35.706,20.936 35.706,20.294 36.384,19.616 59.295,19.616 59.349,19.562 59.364,19.562 59.426,19.5 60.5,19.5 64.902,15.098 64.902,12.723 64.802,12.622 64.802,10.511 65.047,10.265 65.047,7.961 64.984,7.898 64.984,7.635 v1(64.911,7.562)
BAT_AMP_MONITOR: R39.2 U8.2 | length 32.7
  TopLayer w0.254: R39.2@98.09,72.5 104.65,72.5 106.65,74.5 v1(109.6,74.5) ; v1(117.5,76.25) 117.5,69.8 118.475,68.825 U8.2@121.4,68.825
  BottomLayer w0.254: v1(109.6,74.5) 109.6,74.6 109.65,74.65 109.676,74.624 109.724,74.624 112.4,77.3 116.45,77.3 v1(117.5,76.25)
BAT_CHRG_EN: ESP32.28 R32.1 | length 33.4
  TopLayer w0.254: R32.1@56.25,22.75 56.25,29.25 v1(61,34) ; v1(56.49,48.56) ESP32.28@58.5,48.56
  BottomLayer w0.254: v1(56.49,48.56) 58.3,46.75 58.3,41.85 56.25,39.8 56.25,38.75 v1(61,34)
BAT_GND: "ANTS ROBOTICS.B39" "ANTS ROBOTICS.B40" "ANTS ROBOTICS.B41" "ANTS ROBOTICS.B42" "ANTS ROBOTICS.B43" "ANTS ROBOTICS.B44" "ANTS ROBOTICS.B45" "ANTS ROBOTICS.B46" "ANTS ROBOTICS.B47" "ANTS ROBOTICS.B48" "ANTS ROBOTICS.B49" F4.1
BAT_VOLT_MONITOR: R37.1 R38.2 U8.1 | length 47.4
  TopLayer w0.254: U8.1@121.4,67.505 125.055,67.505 125.95,68.4 125.95,69.65 125.5,70.1 v1(125.5,75.25) ; v1(127,77.75) 128.1,78.85 147.4,78.85 148.05,78.2 155.05,78.2 155.3,77.95 R38.2@155.3,77 R37.1@157.5,77
  BottomLayer w0.254: v1(125.5,75.25) 125.5,76.25 v1(127,77.75)
CHARGER_VCC: "ANTS ROBOTICS.A20" "ANTS ROBOTICS.A21" "ANTS ROBOTICS.A22" "ANTS ROBOTICS.A23" "ANTS ROBOTICS.A24" BAT_CHRG_RELAY.1 R34.2 | length 4.8
  TopLayer w0.254: R34.2@68.65,14 BAT_CHRG_RELAY.1@68.65,18.8
CHRG_DET_3V3: ESP32.11 U5.4 | length 41
  TopLayer w0.254: v1(35.75,35) 35.75,36.35 37.933,38.533 37.933,46.433 40.06,48.56 ESP32.11@41.5,48.56 42.06,48.56 42.15,48.65 ESP32.11@42.25,48.55
  BottomLayer w0.254: v1(35.75,35) 38.25,32.5 38.25,31.55 39.65,30.15 47.2,30.15 51.35,26 52.05,26 52.5,25.55 53.5,25.55 53.9,25.15 U5.4@53.9,24.55
CHRG_DET_HIGH: R34.1 R35.2 R36.2 U5.2 | length 129.8
  TopLayer w0.254: v1(60.95,25.5) 61.45,26 65.85,26 70.65,21.2 R34.1@70.65,14 R35.2@70.65,12 ; v1(71.25,29.25) 72.75,30.75 72.75,33.25 76.2,36.7 78,36.7 79.75,38.45 v1(79.75,43.25) ; v1(84.5,51.5) 84.5,52.75 85.75,54 89.75,54 91.25,55.5 v1(91.25,67.35) ; v1(100.5,78.25) 102.75,80.5 105.75,80.5 106.5,81.25 106.5,82.95 107.35,83.8 122,83.8 122.45,83.35 R36.2@122.45,82
  BottomLayer w0.254: U5.2@56.1,25.5 v1(60.95,25.5) 62.6,25.5 64.4,27.3 69.3,27.3 v1(71.25,29.25) ; v1(79.75,43.25) 79.75,46.75 v1(84.5,51.5) ; v1(91.25,67.35) 91.25,70.239 99.261,78.25 v1(100.5,78.25)
CHRG_GND: "ANTS ROBOTICS.B20" "ANTS ROBOTICS.B21" "ANTS ROBOTICS.B22" "ANTS ROBOTICS.B23" "ANTS ROBOTICS.B24" F2.1
ESP32-I2C-SCL: ESP32.36 R44.1 U8.9 U9.9 U10.9 | length 104.9
  TopLayer w0.254: ESP32.36@58.5,58.72 60.58,58.72 61.5,57.8 v1(61.5,55.5) ; v1(87.25,68.25) 89.261,68.25 97.511,76.5 108.005,76.5 ; 108,76.495 108.005,76.5 ; U9.9@112.6,63.495 114.745,63.495 115.4,64.15 115.4,73.3 v1(114.45,74.25) ; U10.9@129.6,76.495 126.655,76.495 123.7,79.45 118.2,79.45 v1(115.245,76.495) U8.9@112.6,76.495 112.355,76.495 112.35,76.5 108.005,76.5
  BottomLayer w0.254: v1(61.5,55.5) 61.5,59.25 64,61.75 64,64.361 65.689,66.05 84.3,66.05 86.5,68.25 v1(87.25,68.25) ; v1(114.45,74.25) 114.4,74.25 114.45,74.3 114.45,75.7 v1(115.245,76.495)
ESP32-I2C-SDA: ESP32.33 R45.1 U8.10 U9.10 U10.10 | length 104
  TopLayer w0.254: ESP32.33@58.5,54.91 61.59,54.91 v1(62.25,54.25) ; v1(87.25,67.25) 89.75,67.25 98.05,75.55 R45.1@106.5,75.55 107.85,75.55 108.225,75.175 U8.10@112.6,75.175 113.225,75.175 113.35,75.05 113.475,75.175 v1(115.225,75.175) ; U9.10@112.6,62.175 114.675,62.175 116,63.5 116,74.4 v1(115.225,75.175) ; U10.10@129.6,75.175 127.325,75.175 123.5,79 119.05,79 v1(115.225,75.175)
  BottomLayer w0.254: v1(62.25,54.25) 62.25,58.75 64.5,61 64.5,64 66,65.5 84.5,65.5 86.25,67.25 v1(87.25,67.25)
ESP32_3V3D_EN: ESP32.27 R40.2 U7.13 | length 28
  TopLayer w0.254: v1(43.4,46.05) 44.64,47.29 ESP32.27@58.5,47.29
  BottomLayer w0.254: v1(43.4,46.05) 40.8,43.45 40.8,40.4 42,39.2 R40.2@42,37.55 44.29,37.55 U7.13@44.3,37.54
ESP32_5VD_EN: ESP32.23 R41.2 U7.10 | length 17.7
  TopLayer w0.254: v1(45.58,33.73) 46.55,34.7 46.55,36.35 47.2,37 47.2,37.9 49,39.7 53.7,39.7 54.445,40.445 R41.2@54.445,41.5 ESP32.23@54.445,43.75
  BottomLayer w0.254: U7.10@44.3,33.73 v1(45.58,33.73)
ESP32_12V_EN: 12V_AUTO.1 ESP32.13 | length 11.5
  TopLayer w0.254: v1(39.5,41.55) 39,42.05 39,45.5 39.52,46.02 ESP32.13@41.5,46.02 41.63,46.02 ESP32.13@41.65,46
  BottomLayer w0.254: 12V_AUTO.1@39.5,37.04 v1(39.5,41.55)
ESP32_RX: ESP32.34 U1.20 | length 41.1
  TopLayer w0.254: U1.20@25.108,56.375 27.425,56.375 27.7,56.1 32.3,56.1 33.2,57 33.2,61.3 34.2,62.3 37.8,62.3 v1(38.3,61.8) ; v1(43.75,60.75) 48,60.75 52.57,56.18 ESP32.34@58.5,56.18
  BottomLayer w0.254: v1(38.3,61.8) 39.35,60.75 v1(43.75,60.75)
ESP32_SYS_RDY: ESP32.16 R43.2 U7.2 | length 11.9
  TopLayer w0.254: v1(45.5,41.75) 45.5,43.695 ESP32.16@45.555,43.75
  BottomLayer w0.254: v1(45.5,41.75) 45.5,39.85 47.81,37.54 U7.2@49.7,37.54 52.49,37.54 R43.2@52.5,37.55
ESP32_TX: ESP32.35 U1.4 | length 39.2
  TopLayer w0.254: U1.4@23.203,61.125 23.203,62.603 23.5,62.9 v1(38.4,62.9) ; v1(43.75,61.75) 47.75,61.75 52.05,57.45 ESP32.35@58.5,57.45
  BottomLayer w0.254: v1(38.4,62.9) 39.55,61.75 v1(43.75,61.75)